# KiCad board DB512k.kicad_pcb
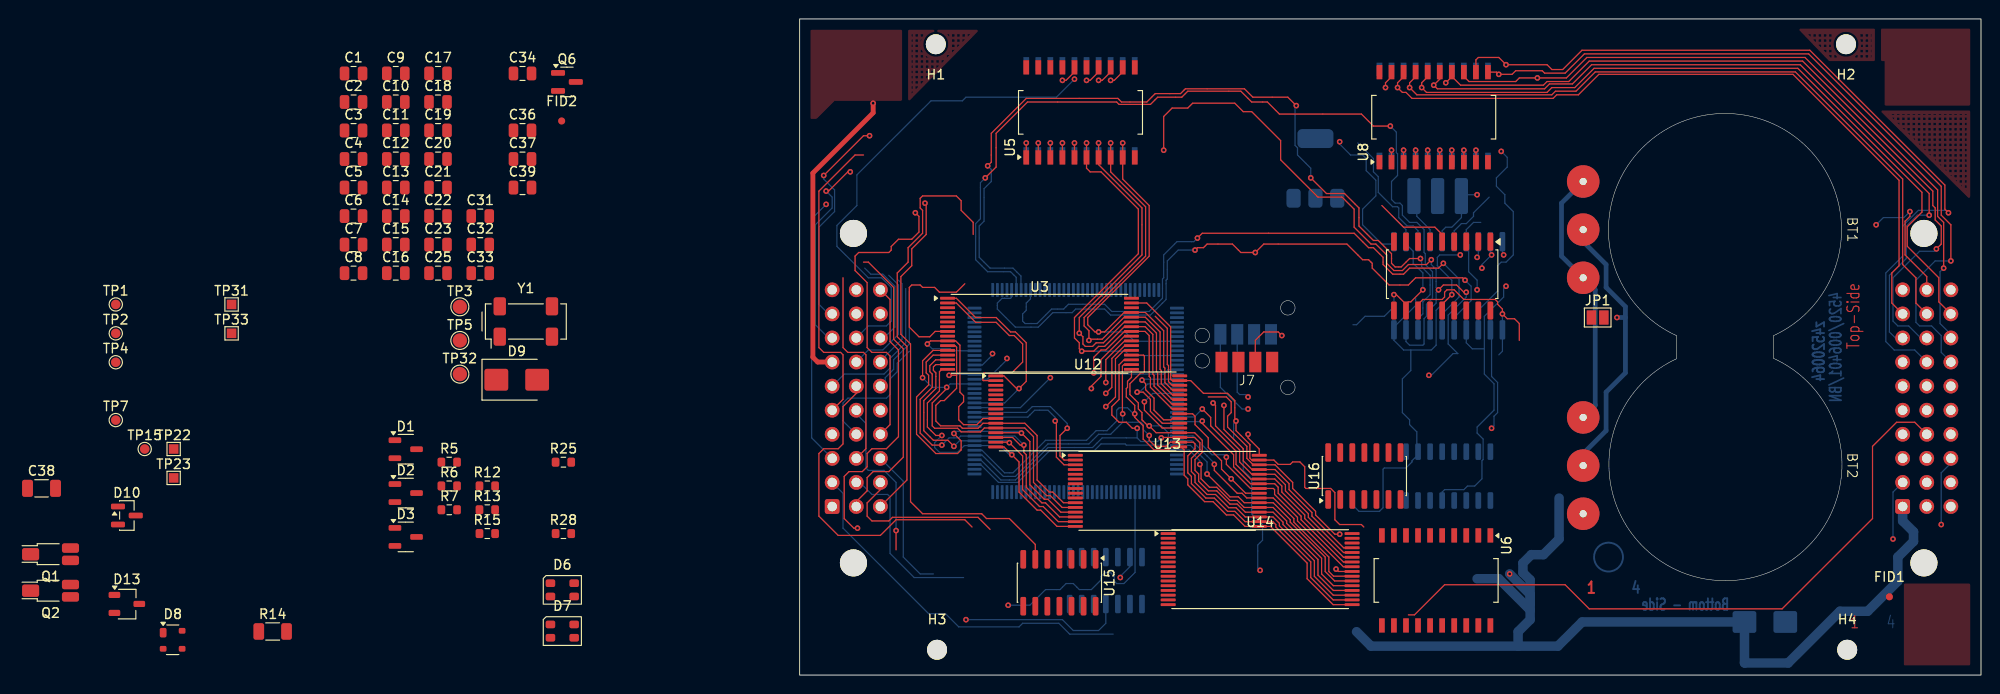
[diagram p0: board, top side]
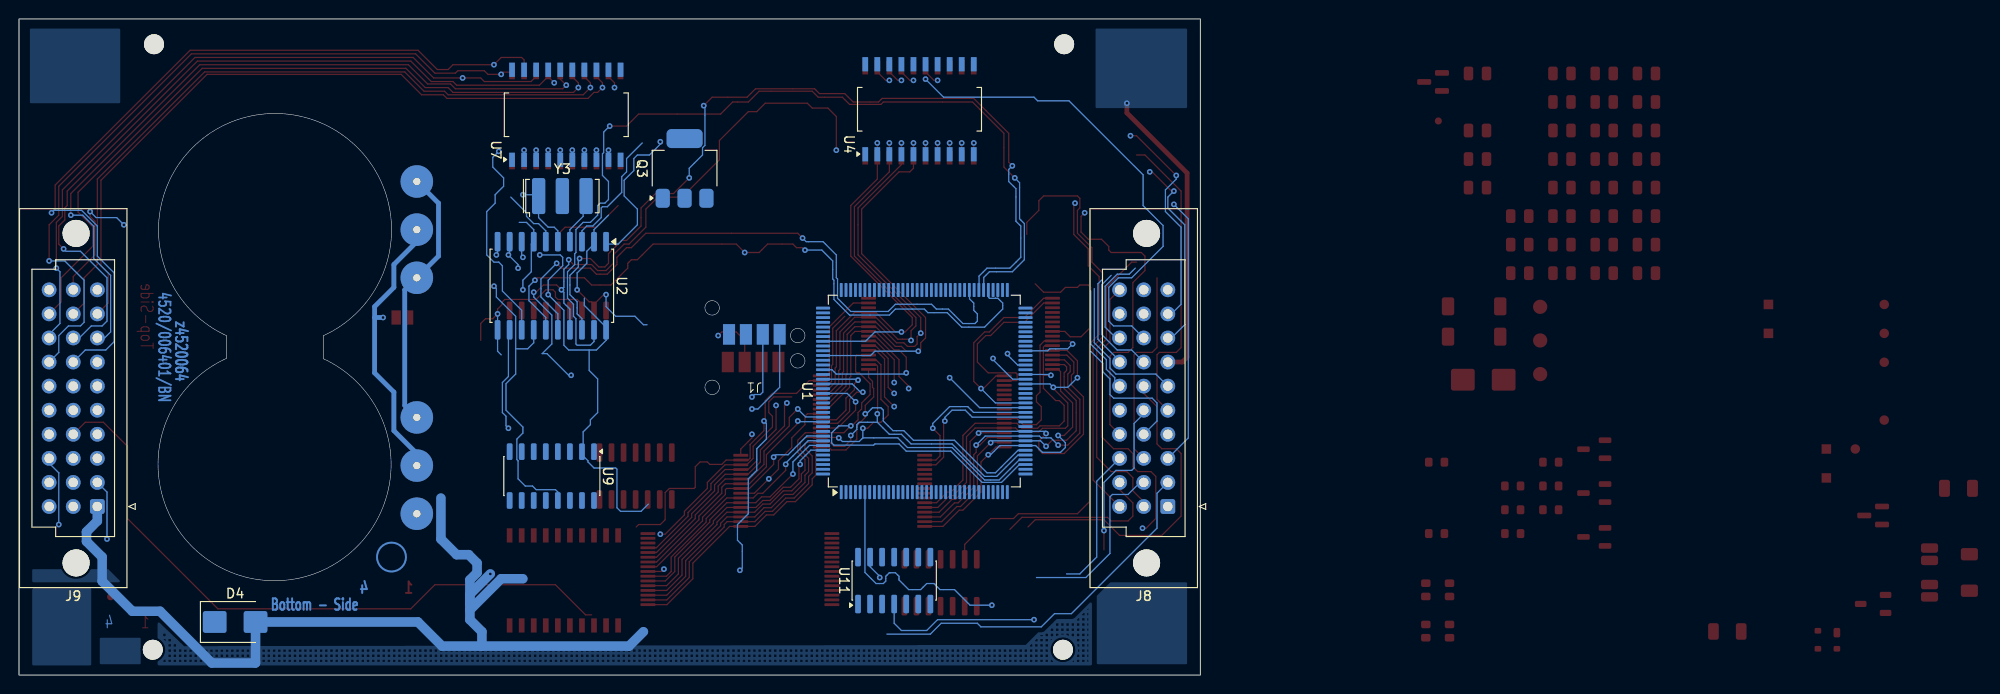
[diagram p1: board, bottom side, seen from below]

Outline 124.46 x 69.22 mm; copper layers: Top, In1.Cu, In2.Cu, Bottom. Coordinates in mm from the lower left corner of the outline.
Outline path: rectangle 0,69.22 124.46,0 ; circle c42.42,35.81 r0.76 ; circle c42.42,33.15 r0.76 ; circle c51.44,38.74 r0.76 ; circle c51.44,30.35 r0.76 ; 92.41,35.79 arc(97.46,59.24) 102.62,35.81 102.62,33.4 arc(97.56,9.95) 92.41,33.38 92.41,35.79
Stack: Top 0.035mm / dielectric 0.1mm FR4 er 4.5 / In1.Cu 0.035mm / dielectric 1.24mm FR4 er 4.5 / In2.Cu 0.035mm / dielectric 0.1mm FR4 er 4.5 / Bottom 0.035mm

## Placement (name value [footprint] x y rotation side)
BT1  Battery_Cell  [Battery_CR2450]  97.79 46.99 270 top
BT2  Battery_Cell  [Battery_CR2450]  97.79 22.1 270 top
C1  C  [C_0805_2012Metric]  -46.99 63.47 0 top
C2  C  [C_0805_2012Metric]  -46.99 60.46 0 top
C3  C  [C_0805_2012Metric]  -46.99 57.45 0 top
C4  C  [C_0805_2012Metric]  -46.99 54.44 0 top
C5  C  [C_0805_2012Metric]  -46.99 51.43 0 top
C6  C  [C_0805_2012Metric]  -46.99 48.42 0 top
C7  C  [C_0805_2012Metric]  -46.99 45.41 0 top
C8  C  [C_0805_2012Metric]  -46.99 42.4 0 top
C9  C  [C_0805_2012Metric]  -42.54 63.47 0 top
C10  C  [C_0805_2012Metric]  -42.54 60.46 0 top
C11  C  [C_0805_2012Metric]  -42.54 57.45 0 top
C12  C  [C_0805_2012Metric]  -42.54 54.44 0 top
C13  C  [C_0805_2012Metric]  -42.54 51.43 0 top
C14  C  [C_0805_2012Metric]  -42.54 48.42 0 top
C15  C  [C_0805_2012Metric]  -42.54 45.41 0 top
C16  C  [C_0805_2012Metric]  -42.54 42.4 0 top
C17  C  [C_0805_2012Metric]  -38.09 63.47 0 top
C18  C  [C_0805_2012Metric]  -38.09 60.46 0 top
C19  C  [C_0805_2012Metric]  -38.09 57.45 0 top
C20  C  [C_0805_2012Metric]  -38.09 54.44 0 top
C21  C  [C_0805_2012Metric]  -38.09 51.43 0 top
C22  C  [C_0805_2012Metric]  -38.09 48.42 0 top
C23  C  [C_0805_2012Metric]  -38.09 45.41 0 top
C25  C  [C_0805_2012Metric]  -38.09 42.4 0 top
C31  C  [C_0805_2012Metric]  -33.64 48.42 0 top
C32  C  [C_0805_2012Metric]  -33.64 45.41 0 top
C33  C  [C_0805_2012Metric]  -33.64 42.4 0 top
C34  C  [C_0805_2012Metric]  -29.19 63.47 0 top
C36  C  [C_0805_2012Metric]  -29.19 57.45 0 top
C37  C  [C_0805_2012Metric]  -29.19 54.44 0 top
C38  C  [C_1206_3216Metric]  -79.86 19.7 0 top
C39  C  [C_0805_2012Metric]  -29.19 51.43 0 top
D1  BAS40-05  [SOT-23-3]  -41.49 23.82 0 top
D2  BAS40-05  [SOT-23-3]  -41.49 19.2 0 top
D3  BAS40-05  [SOT-23-3]  -41.49 14.57 0 top
D4  SM6T6V8A  [D_SMB]  101.69 5.6 180 bottom
D6  LED_RBGA  [LED_Cree-PLCC4_3.2x2.8mm_CCW]  -25 8.99 0 top
D7  LED_RBGA  [LED_Cree-PLCC4_3.2x2.8mm_CCW]  -25 4.64 0 top
D8  BAS28  [SOT-143]  -66.05 3.72 0 top
D9  SM6T6V8A  [D_SMB]  -29.8 31.16 0 top
D10  BAV70  [SOT-23]  -70.87 16.83 0 top
D13  BAS40-06  [TSOT-23]  -70.87 7.5 0 top
FID1  Fiducial  [Fiducial_0.75mm_Mask2.25mm]  114.81 8.26 0 top
FID2  Fiducial  [Fiducial_0.75mm_Mask2.25mm]  -25.07 58.45 0 top
H1  MountingHole  [MountingHole_2.1mm]  14.35 66.55 180 top
H2  MountingHole  [MountingHole_2.1mm]  110.24 66.55 180 top
H3  MountingHole  [MountingHole_2.1mm]  14.48 2.67 0 top
H4  MountingHole  [MountingHole_2.1mm]  110.36 2.67 0 top
J1  Conn_01x04_Socket  [Deckel]  46.99 30.86 0 bottom
J7  Conn_01x04_Socket  [Deckel]  47.12 38.1 0 top
J8  DIN41612_03x10_ABC  [DIN41612_R3_3x10_Male_Vertical_THT]  3.43 17.78 0 bottom
J9  DIN41612_03x10_ABC  [DIN41612_R3_3x10_Male_Vertical_THT]  116.2 17.78 0 bottom
JP1  Jumper_2_Open  [SolderJumper-2_P1.3mm_Open_Pad1.0x1.5mm]  84.07 37.72 0 top
Q1  Q_Photo_NPN_CBE  [Osram_SMD-SmartDIL]  -78.91 12.75 0 top
Q2  Q_Photo_NPN_CBE  [Osram_SMD-SmartDIL]  -78.91 8.9 0 top
Q3  BSP31  [SOT-223]  54.34 53.45 90 bottom
Q6  BC846  [SOT-23]  -24.51 62.57 0 top
R5  100k  [R_0603_1608Metric]  -36.91 22.46 0 top
R6  21.5k  [R_0603_1608Metric]  -36.91 19.95 0 top
R7  10k  [R_0603_1608Metric]  -36.91 17.44 0 top
R12  R  [R_0603_1608Metric]  -32.9 19.95 0 top
R13  R  [R_0603_1608Metric]  -32.9 17.44 0 top
R14  R  [R_1206_3216Metric]  -55.51 4.6 0 top
R15  R  [R_0603_1608Metric]  -32.9 14.93 0 top
R25  ~  [R_0603_1608Metric]  -24.88 22.46 0 top
R28  ~  [R_0603_1608Metric]  -24.88 14.93 0 top
TP1  TestPoint  [TestPoint_Pad_D1.0mm]  -72.04 39.1 0 top
TP2  DSI  [TestPoint_Pad_D1.0mm]  -72.04 36.05 0 top
TP3  TestPoint  [TestPoint_Pad_D1.5mm]  -35.79 38.85 0 top
TP4  DSCLK  [TestPoint_Pad_D1.0mm]  -72.04 33 0 top
TP5  TestPoint  [TestPoint_Pad_D1.5mm]  -35.79 35.3 0 top
TP7  TestPoint  [TestPoint_Pad_D1.0mm]  -72.04 26.9 0 top
TP15  TestPoint  [TestPoint_Pad_D1.0mm]  -68.99 23.85 0 top
TP22  TestPoint  [TestPoint_Pad_1.0x1.0mm]  -65.94 23.85 0 top
TP23  TestPoint  [TestPoint_Pad_1.0x1.0mm]  -65.94 20.8 0 top
TP31  TestPoint  [TestPoint_Pad_1.0x1.0mm]  -59.84 39.1 0 top
TP32  TestPoint  [TestPoint_Pad_D1.5mm]  -35.79 31.75 0 top
TP33  TestPoint  [TestPoint_Pad_1.0x1.0mm]  -59.84 36.05 0 top
U1  MC68331  [TQFP-144_20x20mm_P0.5mm]  29.09 29.96 90 bottom
U2  AT90S1200A  [SOIC-20W_7.5x12.8mm_P1.27mm]  68.33 41.07 270 bottom
U3  HM628128_TSOP32  [TSOP-I-32_18.4x8mm_P0.5mm]  25.27 36 0 top
U4  74HC245  [SO-20_12.8x7.5mm_P1.27mm]  29.59 59.69 90 bottom
U5  74LS245  [SO-20_12.8x7.5mm_P1.27mm]  29.59 59.36 90 top
U6  74HC573  [SO-20_12.8x7.5mm_P1.27mm]  67.06 9.98 270 top
U7  74HC573  [SO-20_12.8x7.5mm_P1.27mm]  66.8 59.11 90 bottom
U8  74HC245  [SO-20_12.8x7.5mm_P1.27mm]  66.8 58.85 90 top
U9  MAX691A CSE  [SO-16_3.9x9.9mm_P1.27mm]  68.33 20.99 270 bottom
U10  RTC4543  [SOP-18_5.4x11.4mm_P1.27mm]  67.69 42.23 270 top
U11  74HC08  [SO-14_3.9x8.65mm_P1.27mm]  32.26 9.97 90 bottom
U12  HM628128_TSOP32  [TSOP-I-32_18.4x8mm_P0.5mm]  30.35 27.81 0 top
U13  HM628128_TSOP32  [TSOP-I-32_18.4x8mm_P0.5mm]  38.73 19.43 0 top
U14  HM628128_TSOP32  [TSOP-I-32_18.4x8mm_P0.5mm]  48.51 11.18 0 top
U15  74HC10  [SO-14_3.9x8.65mm_P1.27mm]  27.37 9.74 270 top
U16  TS3704  [SO-14_3.9x8.65mm_P1.27mm]  59.5 21 90 top
Y1  32.768k  [Crystal_SMD_SeikoEpson_MC306-4Pin_8.0x3.2mm]  -28.84 37.3 0 top
Y3  Resonator  [Resonator_SMD-3Pin_7.2x3.0mm]  67.21 50.53 180 bottom

## Library data of the parts
BT1 BT2 = -: Description: Single-cell battery
C1-C23 C25 C31-C34 C36-C39 = -: Description: Unpolarized capacitor; ki_fp_filters: C_*
D1-D3 = -: Description: Dual Schottky diode, common cathode on pin 3
D4 D9 = -: Datasheet: https://www.st.com/resource/en/datasheet/sm6t.pdf; Description: 600W unidirectional Transil Transient Voltage Suppressor, 6.8Vrwm, DO-214AA; ki_fp_filters: D*SMB*
D6 D7 = -: Description: RGB LED, red/blue/green/anode; ki_fp_filters: LED* LED_SMD:* LED_THT:*
D8 = -: Datasheet: https://assets.nexperia.com/documents/data-sheet/BAS28.pdf; Description: High-speed double diode; ki_fp_filters: SOT?363*
D10 = -: Datasheet: https://assets.nexperia.com/documents/data-sheet/BAV70_SER.pdf; Description: Dual 100V 215mA high-speed switching diodes, common cathode, SOT-23; ki_fp_filters: SOT?23*
D13 = -: Description: Dual diode, common anode on pin 3
FID1 FID2 = -: Description: Fiducial Marker; ki_fp_filters: Fiducial*
H1-H4 = -: Description: Mounting Hole without connection; ki_fp_filters: MountingHole*
J1 J7 = -: Description: Generic connector, single row, 01x04, script generated; ki_fp_filters: Connector*:*_1x??_*
J8 J9 = -: Description: DIN41612 connector, triple row (ABC), 03x10; ki_fp_filters: DIN41612*2x*
JP1 = -: Description: Jumper, 2-pole, open; ki_fp_filters: Jumper* TestPoint*2Pads* TestPoint*Bridge*
Q1 Q2 = -: Description: NPN phototransistor, collector/base/emitter
Q3 = -: Description: PNP transistor, base/collector/emitter, collector connected to mounting plane
Q6 = -: Datasheet: https://assets.nexperia.com/documents/data-sheet/BC846_SER.pdf; Description: 0.1A Ic, 65V Vce, NPN Transistor, SOT-23; ki_fp_filters: SOT?23*
R5-R7 R12-R15 R25 R28 = -: Description: Resistor; ki_fp_filters: R_*
TP1-TP5 TP7 TP15 TP22 TP23 TP31-TP33 = -: Description: test point; ki_fp_filters: Pin* Test*
U1 = -: Datasheet: https://www.nxp.com/docs/en/data-sheet/MC68331UM.pdf
U2 = -: Datasheet: https://ww1.microchip.com/downloads/en/devicedoc/doc0838.pdf; Description: 1K Byte Flash – 64 Bytes EEPROM; ki_fp_filters: TQFP*14x14mm*P0.8mm*
U3 U12-U14 = -: Datasheet: https://www.silicon-ark.co.uk/datasheets/hm628128-datasheet-hitachi.pdf; Description: 128K-word x 8-bit High-Speed CMOS Static RAM, 70/85/100/120ns, 5V supply, TSOP-I-32; ki_fp_filters: *TSOP?I*11.8*8*P0.5mm* *TSOP?I*18.4*8*P0.5mm*
U4 = -: Datasheet: http://www.ti.com/lit/gpn/sn74HC245; Description: Octal BUS Transceivers, 3-State outputs; ki_fp_filters: DIP?20*
U5 U8 = -: Datasheet: http://www.ti.com/lit/gpn/sn74LS245; Description: Octal BUS Transceivers, 3-State outputs; ki_fp_filters: DIP?20*
U6 U7 = -: Datasheet: 74xx/74hc573.pdf; Description: 8-bit Latch 3-state outputs; ki_fp_filters: DIP?20*
U9 = -: Datasheet: https://datasheets.maximintegrated.com/en/ds/MAX690-MAX695.pdf; Description: Microprocessor Supervisory Circuit, SOIC-16; KiLib_Generator: package/gullwing; ki_fp_filters: SOIC*7.5x10.3mm*P1.27mm*
U11 = -: Datasheet: http://www.ti.com/lit/gpn/sn74LS08; Description: Quad And2; KiLib_Generator: package/gullwing; ki_fp_filters: DIP*W7.62mm*
U15 = -: Datasheet: http://www.ti.com/lit/gpn/sn74LS10; Description: Triple 3-input NAND; KiLib_Generator: package/gullwing; ki_fp_filters: DIP*W7.62mm*
U16 = -: Datasheet: https://www.st.com/resource/en/datasheet/lm139.pdf; Description: Quad Differential Comparators, SOIC-14/TSSOP-14; KiLib_Generator: package/gullwing; ki_fp_filters: SOIC*3.9x8.7mm*P1.27mm* TSSOP*4.4x5mm*P0.65mm*
Y1 = -: Description: Four pin crystal, GND on pins 2 and 3; ki_fp_filters: Crystal*
Y3 = -: Description: Three pin ceramic resonator; KiLib_Generator: crystal_resonator_oscillator; ki_fp_filters: Filter* Resonator*

## Footprints (pads in the part's own frame, mm; a bottom-side part is the same pattern mirrored in y, then rotated)
Battery_CR2450
  round 3.429 hole 0.762: 1(-5.08,-15.24) 1(5.08,-15.24) 2(0,-15.24)
C_0805_2012Metric
  rrect 1x1.45 smd: 1(-0.95,0) 2(0.95,0)
C_1206_3216Metric
  rrect 1.15x1.8 smd: 1(-1.475,0) 2(1.475,0)
Crystal_SMD_SeikoEpson_MC306-4Pin_8.0x3.2mm
  rrect 1.3x1.9 smd: 1(-2.75,-1.6) 2(2.75,-1.6) 3(2.75,1.6) 4(-2.75,1.6)
D_SMB
  rrect 2.5x2.3 smd: 1(-2.15,0) 2(2.15,0)
Deckel
  rect 1.27x2.159 smd: 1(-2.667,-5.08) 2(-0.889,-5.08) 3(0.889,-5.08) 4(2.667,-5.08)
DIN41612_R3_3x10_Male_Vertical_THT
  round 2.85 hole 2.85 unplated: (2.24,-28.81) (2.24,5.95)
  rrect 1.55x1.55 hole 1: a1(0,0)
  round 1.55 hole 1: a2(0,-2.54) a3(0,-5.08) a4(0,-7.62) a5(0,-10.16) a6(0,-12.7) a7(0,-15.24) a8(0,-17.78) a9(0,-20.32) a10(0,-22.86) b1(2.54,0) b2(2.54,-2.54) b3(2.54,-5.08) b4(2.54,-7.62) b5(2.54,-10.16) b6(2.54,-12.7) b7(2.54,-15.24) b8(2.54,-17.78) b9(2.54,-20.32) b10(2.54,-22.86) c1(5.08,0) c2(5.08,-2.54) c3(5.08,-5.08) c4(5.08,-7.62) c5(5.08,-10.16) c6(5.08,-12.7) c7(5.08,-15.24) c8(5.08,-17.78) c9(5.08,-20.32) c10(5.08,-22.86)
Fiducial_0.75mm_Mask2.25mm
  round 0.75 smd: (0,0)
LED_Cree-PLCC4_3.2x2.8mm_CCW
  rrect 1x0.8 smd: 1(-1.25,0.7) 2(-1.25,-0.7) 3(1.25,-0.7) 4(1.25,0.7)
MountingHole_2.1mm
  round 2.1 hole 2.1 unplated: (0,0)
Osram_SMD-SmartDIL
  rrect 1.8x1.3 smd: 1(-2.1,0)
  rrect 1.8x1 smd: 2(2.1,0.65) 3(2.1,-0.65)
R_0603_1608Metric
  rrect 0.8x0.95 smd: 1(-0.825,0) 2(0.825,0)
R_1206_3216Metric
  rrect 1.125x1.75 smd: 1(-1.462,0) 2(1.462,0)
Resonator_SMD-3Pin_7.2x3.0mm
  rrect 1.4x3.8 smd: 1(-2.5,0) 2(0,0) 3(2.5,0)
SO-14_3.9x8.65mm_P1.27mm
  rrect 1.95x0.6 smd: 1(-2.475,3.81) 2(-2.475,2.54) 3(-2.475,1.27) 4(-2.475,0) 5(-2.475,-1.27) 6(-2.475,-2.54) 7(-2.475,-3.81) 8(2.475,-3.81) 9(2.475,-2.54) 10(2.475,-1.27) 11(2.475,0) 12(2.475,1.27) 13(2.475,2.54) 14(2.475,3.81)
SO-16_3.9x9.9mm_P1.27mm
  rrect 1.75x0.6 smd: 1(-2.575,4.445) 2(-2.575,3.175) 3(-2.575,1.905) 4(-2.575,0.635) 5(-2.575,-0.635) 6(-2.575,-1.905) 7(-2.575,-3.175) 8(-2.575,-4.445) 9(2.575,-4.445) 10(2.575,-3.175) 11(2.575,-1.905) 12(2.575,-0.635) 13(2.575,0.635) 14(2.575,1.905) 15(2.575,3.175) 16(2.575,4.445)
SO-20_12.8x7.5mm_P1.27mm
  rect 1.5x0.6 smd: 1(-4.75,5.715) 2(-4.75,4.445) 3(-4.75,3.175) 4(-4.75,1.905) 5(-4.75,0.635) 6(-4.75,-0.635) 7(-4.75,-1.905) 8(-4.75,-3.175) 9(-4.75,-4.445) 10(-4.75,-5.715) 11(4.75,-5.715) 12(4.75,-4.445) 13(4.75,-3.175) 14(4.75,-1.905) 15(4.75,-0.635) 16(4.75,0.635) 17(4.75,1.905) 18(4.75,3.175) 19(4.75,4.445) 20(4.75,5.715)
SOIC-20W_7.5x12.8mm_P1.27mm
  rrect 2.05x0.6 smd: 1(-4.65,5.715) 2(-4.65,4.445) 3(-4.65,3.175) 4(-4.65,1.905) 5(-4.65,0.635) 6(-4.65,-0.635) 7(-4.65,-1.905) 8(-4.65,-3.175) 9(-4.65,-4.445) 10(-4.65,-5.715) 11(4.65,-5.715) 12(4.65,-4.445) 13(4.65,-3.175) 14(4.65,-1.905) 15(4.65,-0.635) 16(4.65,0.635) 17(4.65,1.905) 18(4.65,3.175) 19(4.65,4.445) 20(4.65,5.715)
SolderJumper-2_P1.3mm_Open_Pad1.0x1.5mm
  rect 1x1.5 smd: 1(-0.65,0) 2(0.65,0)
SOP-18_5.4x11.4mm_P1.27mm
  rrect 1.9x0.6 smd: 1(-3.486,5.08) 2(-3.486,3.81) 3(-3.486,2.54) 4(-3.486,1.27) 5(-3.486,0) 6(-3.486,-1.27) 7(-3.486,-2.54) 8(-3.486,-3.81) 9(-3.486,-5.08) 10(3.779,-5.08) 11(3.779,-3.81) 12(3.779,-2.54) 13(3.779,-1.27) 14(3.779,0) 15(3.779,1.27) 16(3.779,2.54) 17(3.779,3.81) 18(3.779,5.08)
SOT-23
  rrect 1.475x0.6 smd: 1(-0.938,0.95) 2(-0.938,-0.95) 3(0.938,0)
SOT-23-3
  rrect 1.325x0.6 smd: 1(-1.137,0.95) 2(-1.137,-0.95) 3(1.137,0)
SOT-143
  rrect 0.7x1 smd: 1(-1,0.75)
  rrect 0.7x0.6 smd: 2(-1,-0.95) 3(1,-0.95) 4(1,0.95)
SOT-223
  rrect 2x1.5 smd: 1(-3.15,2.3) 2(-3.15,0) 3(-3.15,-2.3)
  rrect 2x3.8 smd: 4(3.15,0)
TestPoint_Pad_1.0x1.0mm
  rect 1x1 smd: 1(0,0)
TestPoint_Pad_D1.0mm
  round 1 smd: 1(0,0)
TestPoint_Pad_D1.5mm
  round 1.5 smd: 1(0,0)
TQFP-144_20x20mm_P0.5mm
  rrect 1.475x0.3 smd: 1(-10.662,8.75) 2(-10.662,8.25) 3(-10.662,7.75) 4(-10.662,7.25) 5(-10.662,6.75) 6(-10.662,6.25) 7(-10.662,5.75) 8(-10.662,5.25) 9(-10.662,4.75) 10(-10.662,4.25) 11(-10.662,3.75) 12(-10.662,3.25) 13(-10.662,2.75) 14(-10.662,2.25) 15(-10.662,1.75) 16(-10.662,1.25) 17(-10.662,0.75) 18(-10.662,0.25) 19(-10.662,-0.25) 20(-10.662,-0.75) 21(-10.662,-1.25) 22(-10.662,-1.75) 23(-10.662,-2.25) 24(-10.662,-2.75) 25(-10.662,-3.25) 26(-10.662,-3.75) 27(-10.662,-4.25) 28(-10.662,-4.75) 29(-10.662,-5.25) 30(-10.662,-5.75) 31(-10.662,-6.25) 32(-10.662,-6.75) 33(-10.662,-7.25) 34(-10.662,-7.75) 35(-10.662,-8.25) 36(-10.662,-8.75) 73(10.662,-8.75) 74(10.662,-8.25) 75(10.662,-7.75) 76(10.662,-7.25) 77(10.662,-6.75) 78(10.662,-6.25) 79(10.662,-5.75) 80(10.662,-5.25) 81(10.662,-4.75) 82(10.662,-4.25) 83(10.662,-3.75) 84(10.662,-3.25) 85(10.662,-2.75) 86(10.662,-2.25) 87(10.662,-1.75) 88(10.662,-1.25) 89(10.662,-0.75) 90(10.662,-0.25) 91(10.662,0.25) 92(10.662,0.75) 93(10.662,1.25) 94(10.662,1.75) 95(10.662,2.25) 96(10.662,2.75) 97(10.662,3.25) 98(10.662,3.75) 99(10.662,4.25) 100(10.662,4.75) 101(10.662,5.25) 102(10.662,5.75) 103(10.662,6.25) 104(10.662,6.75) 105(10.662,7.25) 106(10.662,7.75) 107(10.662,8.25) 108(10.662,8.75)
  rrect 0.3x1.475 smd: 37(-8.75,-10.662) 38(-8.25,-10.662) 39(-7.75,-10.662) 40(-7.25,-10.662) 41(-6.75,-10.662) 42(-6.25,-10.662) 43(-5.75,-10.662) 44(-5.25,-10.662) 45(-4.75,-10.662) 46(-4.25,-10.662) 47(-3.75,-10.662) 48(-3.25,-10.662) 49(-2.75,-10.662) 50(-2.25,-10.662) 51(-1.75,-10.662) 52(-1.25,-10.662) 53(-0.75,-10.662) 54(-0.25,-10.662) 55(0.25,-10.662) 56(0.75,-10.662) 57(1.25,-10.662) 58(1.75,-10.662) 59(2.25,-10.662) 60(2.75,-10.662) 61(3.25,-10.662) 62(3.75,-10.662) 63(4.25,-10.662) 64(4.75,-10.662) 65(5.25,-10.662) 66(5.75,-10.662) 67(6.25,-10.662) 68(6.75,-10.662) 69(7.25,-10.662) 70(7.75,-10.662) 71(8.25,-10.662) 72(8.75,-10.662) 109(8.75,10.662) 110(8.25,10.662) 111(7.75,10.662) 112(7.25,10.662) 113(6.75,10.662) 114(6.25,10.662) 115(5.75,10.662) 116(5.25,10.662) 117(4.75,10.662) 118(4.25,10.662) 119(3.75,10.662) 120(3.25,10.662) 121(2.75,10.662) 122(2.25,10.662) 123(1.75,10.662) 124(1.25,10.662) 125(0.75,10.662) 126(0.25,10.662) 127(-0.25,10.662) 128(-0.75,10.662) 129(-1.25,10.662) 130(-1.75,10.662) 131(-2.25,10.662) 132(-2.75,10.662) 133(-3.25,10.662) 134(-3.75,10.662) 135(-4.25,10.662) 136(-4.75,10.662) 137(-5.25,10.662) 138(-5.75,10.662) 139(-6.25,10.662) 140(-6.75,10.662) 141(-7.25,10.662) 142(-7.75,10.662) 143(-8.25,10.662) 144(-8.75,10.662)
TSOP-I-32_18.4x8mm_P0.5mm
  rrect 1.575x0.3 smd: 1(-9.688,3.75) 2(-9.688,3.25) 3(-9.688,2.75) 4(-9.688,2.25) 5(-9.688,1.75) 6(-9.688,1.25) 7(-9.688,0.75) 8(-9.688,0.25) 9(-9.688,-0.25) 10(-9.688,-0.75) 11(-9.688,-1.25) 12(-9.688,-1.75) 13(-9.688,-2.25) 14(-9.688,-2.75) 15(-9.688,-3.25) 16(-9.688,-3.75) 17(9.688,-3.75) 18(9.688,-3.25) 19(9.688,-2.75) 20(9.688,-2.25) 21(9.688,-1.75) 22(9.688,-1.25) 23(9.688,-0.75) 24(9.688,-0.25) 25(9.688,0.25) 26(9.688,0.75) 27(9.688,1.25) 28(9.688,1.75) 29(9.688,2.25) 30(9.688,2.75) 31(9.688,3.25) 32(9.688,3.75)
TSOT-23
  rrect 1.22x0.65 smd: 1(-1.31,0.95) 2(-1.31,-0.95) 3(1.31,0)

## Nets
/12Vin: D10.1 R7.2 U1.96
GND: C1.2 C2.2 C3.2 C4.2 C5.2 C6.2 C7.2 C8.2 C9.2 C10.2 C11.2 C12.2 C13.2 C14.2 C15.2 C16.2 C17.2 C18.2 C19.2 C20.2 C21.2 C22.2 C23.2 C32.2 C33.2 C34.2 C36.2 C37.2 D4.2 D6.1 D6.2 D6.3 D7.1 D7.2 D7.3 D9.2 J8.a1 J8.a7 J9.a1 J9.a7 JP1.2 Q6.2 TP31.1 TP32.1 U1.2 U1.12 U1.13 U1.20 U1.22 U1.26 U1.30 U1.31 U1.32 U1.35 U1.48 U1.54 U1.62 U1.74 U1.82 U1.91 U1.107 U1.120 U1.128 U1.134 U2.10 U3.24 U5.10 U6.10 U7.10 U8.10 U9.4 U10.9 U11.7 U12.24 U13.24 U14.24 U15.7 U16.12 Y3.2
VDD: C1.1 C2.1 C3.1 C4.1 C5.1 C6.1 C7.1 C8.1 C9.1 C10.1 C11.1 C12.1 C13.1 C14.1 C15.1 C16.1 C17.1 C18.1 C19.1 C20.1 C21.1 C22.1 C23.1 C31.1 C33.1 C34.1 C36.1 C38.1 C39.1 D1.3 D9.1 D10.3 J8.a10 J9.a10 R5.1 U1.11 U1.19 U1.25 U1.37 U1.47 U1.61 U1.72 U1.84 U1.86 U1.89 U1.109 U1.121 U1.135 U1.144 U2.20 U3.8 U5.20 U6.20 U7.20 U8.20 U10.14 U11.14 U12.8 U13.8 U14.8
+BATT: BT1.1 BT2.1 TP5.1 TP22.1
-BATT: BT1.2 BT2.2 JP1.1 TP3.1
/c12V: J9.c5 R7.1
/cA1: J9.c3 U6.12
/cA2: J9.a2 U6.13
/cA3: J9.b2 U6.14
/cA20: J8.c10
/cA22: J8.b2
/cCLKOUT: J9.a5
/cD0: J9.a9 U7.19 U8.18
/cD1: J9.b9 U7.18 U8.17
/cD2: J9.c9 U7.17 U8.16
/cD3: J9.a8 U7.16 U8.15
/cD4: J9.b8 U7.15 U8.14
/cD5: J9.c8 U7.14 U8.13
/cD6: J9.b7 U7.13 U8.12
/cD7: J9.c7 U7.12 U8.11
/cD8: U5.18
/cD9: U5.17
/cD10: U5.16
/cD11: U5.15
/cD12: U5.14
/cD13: U5.13
/cD14: U5.12
/cD15: U5.11
/cPE1: J9.b6
/cPF1: J8.a5
/cPF2: J9.b10
/cPF3: J9.c10
/cPF5: J8.a3
/cPQS0: J8.b6
/cPQS1: J8.c6
/cPQS2: J8.a6
/cPQS4: J9.c1
/cPQS5: J8.b1
/cPQS6: J8.c1
/cRESET: J9.c6
/cRW: J9.a6
/cRXD: J8.c4
/cTXD: J8.b3
A1: U1.39 U3.20 U6.9 U12.20 U13.20 U14.20
A2: U1.40 U3.19 U6.8 U12.19 U13.19 U14.19
A3: U1.41 U3.18 U6.7 U12.18 U13.18 U14.18
A4: U1.42 U3.17 U6.6 U12.17 U13.17 U14.17
A5: U1.43 U3.16 U12.16 U13.16 U14.16
A6: U1.44 U3.15 U12.15 U13.15 U14.15
A7: U1.45 U3.14 U12.14 U13.14 U14.14
A8: U1.46 U3.13 U12.13 U13.13 U14.13
A9: U1.49 U3.3 U12.3 U13.3 U14.3
A10: U1.50 U3.2 U12.2 U13.2 U14.2
A11: U1.51 U3.31 U12.31 U13.31 U14.31
A12: U1.52 U3.1 U12.1 U13.1 U14.1
A13: U1.56 U3.12 U12.12 U13.12 U14.12
A14: U1.57 U3.4 U12.4 U13.4 U14.4
A15: U1.58 U3.11 U12.11 U13.11 U14.11
A16: U1.60 U3.7 U12.7 U13.7 U14.7
A17: U1.63 U3.10 U12.10 U13.10 U14.10
A18: U1.64
A19: D3.2 U1.6
A20: U1.7
A21: U1.8
A22: U1.9
A23: U1.10
BERR: U1.94
CE: TP15.1 U5.19 U8.19 U11.6
CLKOUT: U1.90
CS0: U1.141
D0: U1.139 U7.2 U8.9 U13.21 U14.21
D1: U1.138 U7.3 U8.8 U13.22 U14.22
D2: TP33.1 U1.137 U7.4 U8.7 U13.23 U14.23
D3: R15.1 U1.136 U7.5 U8.6 U13.25 U14.25
D4: U1.133 U7.6 U8.5 U13.26 U14.26
D5: U1.132 U7.7 U8.4 U13.27 U14.27
D6: U1.131 U7.8 U8.3 U13.28 U14.28
D7: U1.130 U7.9 U8.2 U13.29 U14.29
D8: U1.127 U3.21 U4.9 U5.2 U12.21
D9: U1.125 U3.22 U4.8 U5.3 U12.22
D10: U1.124 U3.23 U4.7 U5.4 U12.23
D11: U1.122 U3.25 U4.6 U5.5 U12.25
D12: U1.119 U3.26 U4.5 U5.6 U12.26
D13: U1.118 U3.27 U4.4 U5.7 U12.27
D14: U1.117 U3.28 U4.3 U5.8 U12.28
D15: U1.116 U3.29 U4.2 U5.9 U12.29
DSCLK: TP4.1 U1.79 U2.18
DSI: TP2.1 U1.78 U2.19
DSO: U1.77 U2.15
FC0: D2.1 U1.3
FC1: D1.1 U1.4
FC2: U1.5
FREEZE: TP1.1 U1.81 U2.16
HALT: U1.93
MOSI: D8.1
OE: U7.1
PD2: R25.2
PD5: Q2.1
PE0: U1.114
PE1: U1.113
PE2: U1.112
PE3: U1.111
PE4: U1.106 U6.11
PE5: U1.110
PE6: U1.105
PE7: U1.104
PF0: TP7.1 TP23.1 U1.102
PF1: U1.101
PF2: U1.100
PF3: U1.99
PF4: U1.98
PF5: U1.97
PF7: U1.95
PGP0: U1.33
PGP4: D8.3 U1.29
PGP5: D8.4 U1.28
PGP6: U1.24
PGP7: U1.23
PQS0: U1.65
PQS1: U1.66
PQS2: U1.67
PQS3: U1.68
PQS4: U1.69
PQS5: U1.70
PQS6: U1.71
RESET: U1.92
RTC_CLK: U2.11 U10.12
RTC_DATA: U2.2 U10.11
RW: U1.103
RXD: U1.76
SCK: D8.2
TSC: U1.80
TXD: U1.75
XFC: C31.2 R13.1 U1.87
Net-(C25-Pad1): C25.1 R6.2
Net-(C39-Pad2): C39.2 R13.2
Net-(D2-K): D2.3 D3.3
Net-(D13-K-Pad1): D13.1 D13.2
Net-(J9A-Pin_a3): J9.a3 U6.17
Net-(J9B-Pin_b3): J9.b3 U6.16
Net-(J9B-Pin_b4): J9.b4 U6.19
Net-(J9C-Pin_c2): J9.c2 U6.15
Net-(J9C-Pin_c4): J9.c4 U6.18
Net-(Q2-E): Q2.3 Q6.1 R28.2
Net-(R5-Pad2): R5.2 R6.1
Net-(R12-Pad1): R12.1 Y1.1
Net-(U1-EXTAL): C37.1 R14.2 U1.85 Y1.4
Net-(U1-XTAL): R12.2 R14.1 U1.83
Net-(U2-XTAL1): U2.5 Y3.1
Net-(U2-XTAL2): U2.4 Y3.3
Net-(U10-Foe): U10.5 U10.7
Net-(U16A-+): U16.5 U16.6

Pads without a net: C25 2; C32 1; C38 2; D1 2; D2 2; D3 1; D4 1; D6 4; D7 4; D10 2; D13 3; J1 1 2 3 4; J7 1 2 3 4; J8 a2 a4 a8 a9 b4 b5 b7 b8 b9 b10 c2 c3 c5 c7 c8 c9; J9 a4 b1 b5; Q1 1 2 3; Q2 2; Q3 1 2 3 4; Q6 3; R15 2; R25 1; R28 1; U1 1 14 15 16 17 18 21 27 34 36 38 53 55 59 73 88 108 115 123 126 129 140 142 143; U2 1 3 6 7 8 9 12 13 14 17; U3 5 6 9 30 32; U4 1 10 11 12 13 14 15 16 17 18 19 20; U5 1; U6 1 2 3 4 5; U7 11; U8 1; U9 1 2 3 5 6 7 8 9 10 11 12 13 14 15 16; U10 1 2 3 4 6 8 10 13 15 16 17 18; U11 1 2 3 4 5 8 9 10 11 12 13; U12 5 6 9 30 32; U13 5 6 9 30 32; U14 5 6 9 30 32; U15 1 2 3 4 5 6 8 9 10 11 12 13 14; U16 1 2 3 4 7 8 9 10 11 13 14; Y1 2 3

## Via types
v1: diameter 0.6, hole 0.3, Top to Bottom, 139 vias
